# Allegro board RK_EXCAVATOR_MAIN_V12_20161114_FZBFINAL.brd (continued)
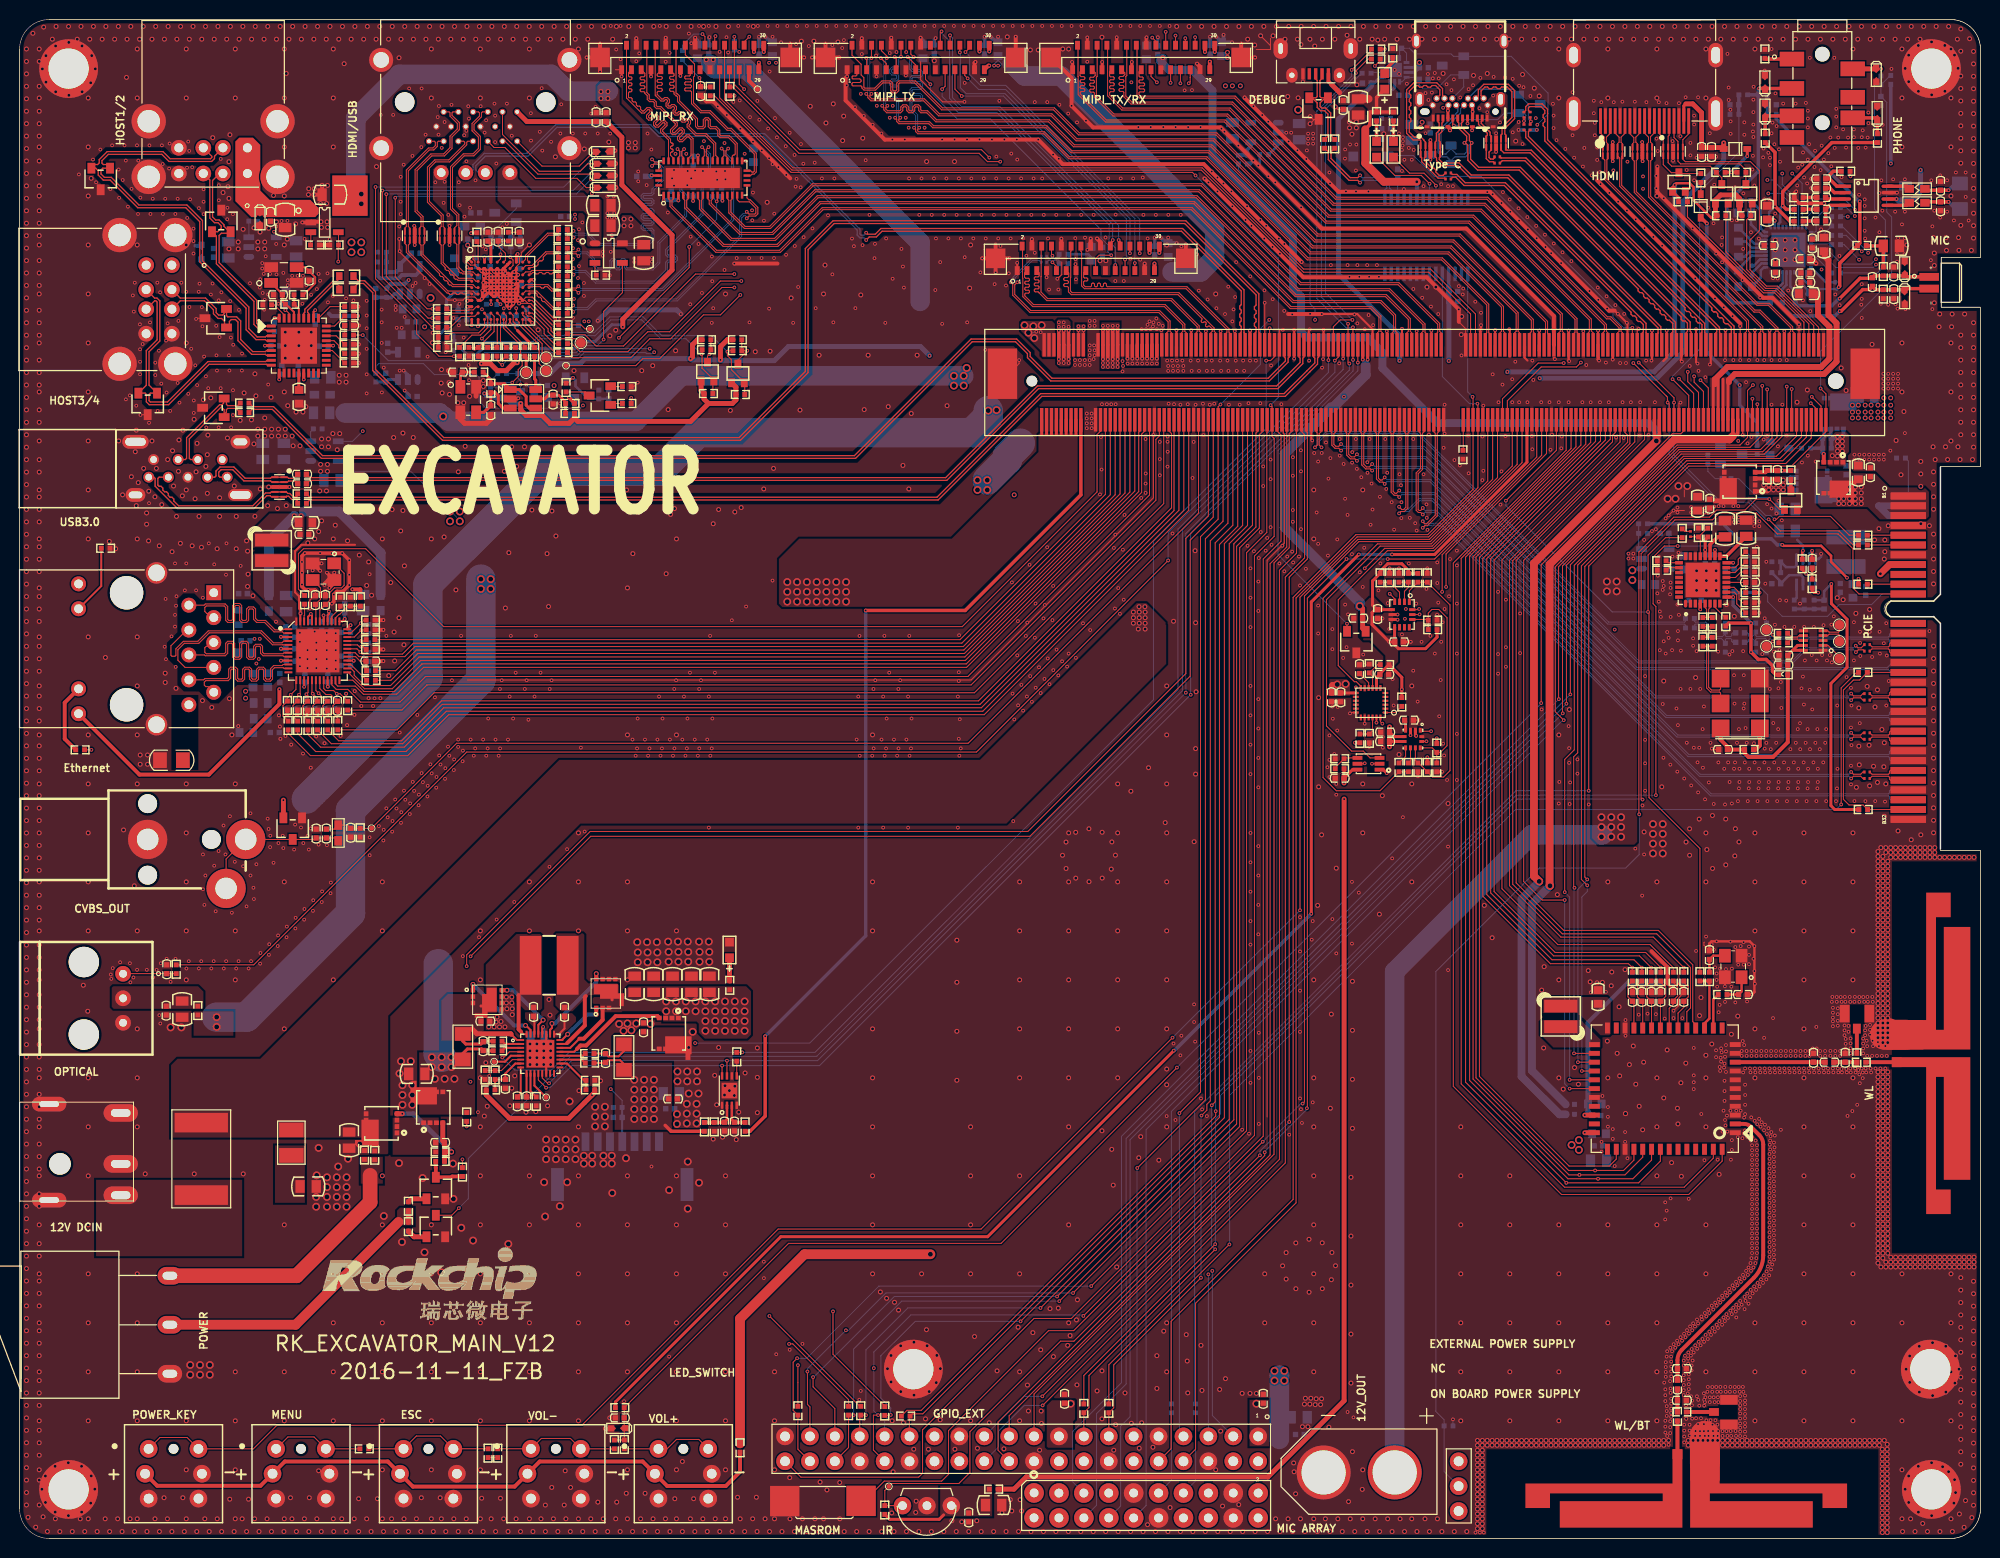
[diagram p0: board, top side]
## Routing (per net, layer and track width the routed paths; a pad name or vN(x,y) marks a point on that pad's centre or on a via; arc(x,y) is an arc through that point) (continued)
v1(140.75,108.6) v1(140.8,112.2) v1(140.9,107.48) v1(140.95,105.74) v1(140.93,104.13) v1(141,141.7) v1(141,139.55) v1(141,92.25) v1(141.07,142.15) v1(141.1,73.6) v1(141.25,140.7) v1(141.2,137.7) v1(141.3,93.85) v1(141.4,94.85) v1(141.5,148.45) v1(141.7,141.9) v1(141.7,99.5) v1(141.8,104.15) v1(142,140.7) v1(142.15,112.2) v1(142.15,88.55) v1(142.2,141.7) v1(142.16,127.51) v1(142.35,103.6) v1(142.5,102.85) v1(142.45,95.4) v1(142.6,85.4) v1(143,91.5) v1(143.06,126.61) v1(143.2,138) v1(143.2,108.6) v1(143.4,147.5) v1(143.5,105.53) v1(143.53,104.15) v1(143.5,96.9) v1(143.6,102.93) v1(143.65,149.45) v1(143.7,146.8) v1(143.75,112.65) v1(143.9,92.1) v1(143.96,125.71) v1(144.05,147.55) v1(144.15,149) v1(144.35,149.55) v1(144.35,90.3) v1(144.6,99.6) v1(144.6,97.5) v1(144.7,124.95) v1(144.7,95.5) v1(144.75,149) v1(144.8,83.9) v1(145,138.2) v1(145,91.5) v1(144.95,87.6) v1(145.15,93.5) v1(145.2,81.1) v1(145.25,111.3) v1(145.3,79.9) v1(145.35,115.7) v1(145.35,112.75) v1(145.35,94.85) v1(145.55,148.4) v1(145.6,77.4) v1(145.7,138) v1(145.7,70.6) v1(145.7,58) v1(145.8,96.15) v1(145.9,99.95) v1(146.05,147.8) v1(146.2,138) v1(146.3,148.9) v1(146.35,110.05) v1(146.6,100.8) v1(146.6,99.3) v1(146.6,95.4) v1(146.6,90.3) v1(146.6,82.1) v1(146.6,77.4) v1(146.8,127.8) v1(146.9,109.5) v1(146.95,147.05) v1(147.07,120.73) v1(147.2,126.95) v1(147.25,127.55) v1(147.8,147.9) v1(147.75,112.55) v1(147.8,108.7) v1(148.25,148.3) v1(148.48,126.21) v1(148.5,0.6) v1(148.9,145.95) v1(148.95,0.6) v1(149,149.05) v1(149.06,125.08) v1(149.2,112.45) v1(149.2,108) v1(149.3,115.6) v1(149.3,108.95) v1(149.35,0.6) v1(149.7,137.4) v1(150.25,118.8) v1(150.35,149.15) v1(150.3,147.25) v1(150.25,137.18) v1(150.6,143.4) v1(150.6,141.5) v1(150.85,115.95) v1(150.8,96.6) v1(150.8,90.25) v1(150.8,88.25) v1(151,144.5) v1(151.05,105.5) v1(151.15,136.28) v1(151.15,108.9) v1(151.25,117.75) v1(151.3,137.4) v1(151.5,149.1) v1(151.5,145) v1(151.55,112.5) v1(151.6,95.8) v1(151.6,90.95) v1(151.6,88.95) v1(151.99,136.64) v1(152.05,135.38) v1(152.25,118.3) v1(152.25,115.95) v1(152.3,148.95) v1(152.3,143.5) v1(152.56,120.09) v1(152.95,148.25) v1(152.9,144.55) v1(152.89,135.74) v1(152.95,134.48) v1(152.95,115.95) v1(153.05,94.4) v1(153.05,90.35) v1(153.3,142.3) v1(153.4,148.1) v1(153.79,134.84) v1(153.84,133.59) v1(153.8,115.95) v1(154.1,147.2) v1(154.25,112.5) v1(154.3,120.2) v1(154.3,111.15) v1(154.4,118.23) v1(154.65,144.95) v1(154.69,133.95) v1(154.74,132.69) v1(155.2,115.95) v1(155.25,84.6) v1(155.58,133.05) v1(155.64,131.79) v1(156.05,115.95) v1(156.22,131.17) v1(156.15,111.1) v1(156.3,112.65) v1(156.4,146.4) v1(156.47,145.2) v1(156.47,143.93) v1(156.48,132.15) v1(156.76,142.7) v1(157,115.95) v1(157,75) v1(157.05,77.2) v1(157.23,130.15) v1(157.3,112.45) v1(157.25,111.25) v1(157.38,131.25) v1(157.66,141.8) v1(158,115.95) v1(158,82.9) v1(158.05,80.65) v1(158.05,79.15) v1(158.1,74.95) v1(158.15,77.15) v1(158.28,130.35) v1(158.4,147.6) v1(158.4,143.2) v1(158.56,140.9) v1(158.9,79.5) v1(158.9,78.05) v1(159.4,115.95) v1(159.46,140) v1(159.6,141.9) v1(159.8,119.75) v1(160.13,127.3) v1(160.05,74.9) v1(160.25,115.95) v1(160.26,55.72) v1(160.36,139.11) v1(160.57,146.72) v1(160.57,145.45) v1(160.67,144.47) v1(160.67,143.2) v1(160.91,141.95) v1(160.91,140.68) v1(160.97,127.66) v1(161.03,126.4) v1(161.21,139.44) v1(161.2,115.95) v1(161.33,146.57) v1(161.25,138.21) v1(161.45,45.15) v1(161.36,40.47) v1(161.36,39.47) v1(161.8,120) v1(161.81,55.77) v1(161.87,126.76) v1(161.93,125.5) v1(162.01,44.02) v1(162.01,43.02) v1(162.01,42.02) v1(162.1,115.95) v1(162.15,137.31) v1(162.51,41.77) v1(162.51,40.77) v1(162.6,146.57) v1(162.56,139.61) v1(162.7,92.75) v1(162.7,38) v1(162.77,125.86) v1(162.84,112.34) v1(163.05,136.41) v1(163.25,119.95) v1(163.48,146.62) v1(163.5,115.95) v1(163.61,112.3) v1(163.67,124.97) v1(163.85,119.95) v1(163.8,52.9) v1(163.8,51.3) v1(163.76,41.47) v1(163.76,40.47) v1(163.95,135.51) v1(164,140.5) v1(164,38.8) v1(164.1,100.5) v1(164.1,100) v1(164.35,115.95) v1(164.6,100.5) v1(164.6,100) v1(164.75,146.62) v1(164.85,134.62) v1(164.8,70.4) v1(165.15,53.45) v1(165.25,112.55) v1(165.3,115.95) v1(165.53,74.8) v1(165.5,65.6) v1(165.59,139) v1(165.59,137.73) v1(165.74,133.72) v1(165.7,101.9) v1(165.7,69.8) v1(165.8,88) v1(165.8,81.5) v1(165.8,79.1) v1(165.8,76.3) v1(165.93,146.57) v1(165.9,120.2) v1(166.05,53.55) v1(166.15,112.6) v1(166.5,102.8) v1(166.64,132.82) v1(166.8,115.95) v1(166.95,139.06) v1(166.95,137.79) v1(166.9,103) v1(166.9,53.5) v1(166.97,142.85) v1(167.05,99.3) v1(167.05,96.45) v1(167.09,141.59) v1(167.1,98.25) v1(167.2,146.57) v1(167.2,100.2) v1(167.2,95.6) v1(167.3,94.6) v1(167.3,90.65) v1(167.41,94.04) v1(167.54,131.92) v1(167.6,97.7) v1(167.6,96.8) v1(167.6,85.15) v1(167.71,136.77) v1(167.7,97.2) v1(167.7,91.55) v1(167.67,79.67) v1(167.75,15.9) v1(167.8,53.05) v1(167.9,90.3) v1(167.85,34.3) v1(167.85,32.55) v1(167.91,17.99) v1(167.91,17.49) v1(167.91,16.99) v1(167.91,16.49) v1(167.86,15.21) v1(167.86,14.61) v1(167.86,14.01) v1(167.86,12) v1(167.86,11.4) v1(167.86,10.8) v1(167.98,146.47) v1(168,33.45) v1(168,18.55) v1(168.01,13.5) v1(168.01,13) v1(168.01,12.5) v1(168.05,92.5) v1(168.05,19.1) v1(168.05,10.45) v1(168.2,91.9) v1(168.2,9.55) v1(168.4,97.55) v1(168.4,97) v1(168.35,96.35) v1(168.41,94.04) v1(168.38,78.96) v1(168.4,34.7) v1(168.37,19.45) v1(168.35,16.05) v1(168.4,15.3) v1(168.4,14.85) v1(168.36,11.95) v1(168.36,11.35) v1(168.36,10.75) v1(168.45,18.55) v1(168.46,18.04) v1(168.46,17.54) v1(168.46,17.04) v1(168.46,16.54) v1(168.46,14.25) v1(168.46,13.75) v1(168.46,13.25) v1(168.45,12.8) v1(168.45,12.4) v1(168.6,142.6) v1(168.6,100.2) v1(168.55,90.65) v1(168.55,19.1) v1(168.7,53.1) v1(168.71,19.82) v1(168.87,19.45) v1(169,84.7) v1(169.1,105.2) v1(169.1,104.7) v1(169.1,100.2) v1(169.1,95.3) v1(169.08,78.25) v1(169.07,20.17) v1(169.2,100.6) v1(169.15,92.6) v1(169.15,91.65) v1(169.15,83) v1(169.21,19.82) v1(169.25,146.47) v1(169.25,94.25) v1(169.4,143.1) v1(169.42,86.69) v1(169.42,20.53) v1(169.45,90.6) v1(169.55,120.1) v1(169.6,53.1) v1(169.57,20.17) v1(169.74,18.15) v1(169.74,17.65) v1(169.74,16.65) v1(169.74,16.15) v1(169.74,15.12) v1(169.74,14.62) v1(169.79,77.55) v1(169.77,20.88) v1(169.75,15.65) v1(169.79,11.6) v1(169.79,11) v1(169.79,10.4) v1(169.79,9.8) v1(169.93,147.07) v1(169.92,20.53) v1(169.87,18.63) v1(169.97,13.59) v1(170,12.22) v1(170,12.21) v1(170.05,139.65) v1(170.05,81.2) v1(170.07,21.25) v1(170.21,18.97) v1(170.19,18.35) v1(170.19,17.85) v1(170.15,14.8) v1(170.25,34.65) v1(170.27,20.91) v1(170.26,16.74) v1(170.26,16.24) v1(170.26,15.74) v1(170.26,15.24) v1(170.34,11.6) v1(170.34,11) v1(170.42,142.42) v1(170.42,141.15) v1(170.35,119.65) v1(170.42,86.69) v1(170.39,21.63) v1(170.35,10.5) v1(170.5,105.25) v1(170.5,104.7) v1(170.5,76.84) v1(170.47,18.66) v1(170.54,17.65) v1(170.54,17.15) v1(170.49,14.5) v1(170.6,21.25) v1(170.56,19.33) v1(170.6,14.05) v1(170.57,13.59) v1(170.6,12.22) v1(170.65,133.7) v1(170.7,91.85) v1(170.7,91.1) v1(170.7,21.95) v1(170.65,18.15) v1(170.8,145.2) v1(170.8,144.3) v1(170.8,138.6) v1(170.77,80.69) v1(170.76,50.05) v1(170.76,47.25) v1(170.76,46.55) v1(170.76,45.85) v1(170.76,18.97) v1(170.89,21.63) v1(170.91,19.71) v1(170.9,10.46) v1(171,59.95) v1(171,12.26) v1(170.95,10.96) v1(171.05,140.9) v1(171.05,90.55) v1(171.1,22.34) v1(171.11,19.35) v1(171.09,14.5) v1(171.2,147.07) v1(171.15,79.2) v1(171.21,76.13) v1(171.2,21.95) v1(171.22,14.14) v1(171.2,11.67) v1(171.25,119.15) v1(171.32,80.69) v1(171.27,20.06) v1(171.32,13.55) v1(171.42,86.69) v1(171.4,10.95) v1(171.4,10.46) v1(171.53,43.31) v1(171.54,22.65) v1(171.46,19.71) v1(171.5,12.26) v1(171.6,22.34) v1(171.67,82.59) v1(171.7,78.65) v1(171.65,20.35) v1(171.8,84.9) v1(171.82,20.06) v1(171.8,14.8) v1(171.82,14.14) v1(171.82,13.55) v1(171.8,11.67) v1(171.8,10.95) v1(171.85,105.15) v1(171.85,104.7) v1(171.91,75.43) v1(171.85,38.6) v1(171.9,23) v1(171.9,13.91) v1(171.95,118.5) v1(172.02,61.42) v1(172.04,22.65) v1(171.97,20.77) v1(171.95,14.41) v1(172.1,141.05) v1(172.15,14.96) v1(172.05,12.05) v1(172.25,23.36) v1(172.2,20.35) v1(172.2,15.46) v1(172.23,10.96) v1(172.25,135.8) v1(172.25,104.65) v1(172.3,77.15) v1(172.28,10.46) v1(172.4,143.4) v1(172.35,23) v1(172.35,21.1) v1(172.4,14.4) v1(172.4,13.91) v1(172.47,81.19) v1(172.52,20.77) v1(172.48,12.06) v1(172.59,60.63) v1(172.6,23.75) v1(172.65,14.96) v1(172.75,23.36) v1(172.68,21.47) v1(172.65,15.45) v1(172.68,11.61) v1(172.73,10.96) v1(172.78,134.21) v1(172.8,74.95) v1(172.81,60.07) v1(172.8,14.4) v1(172.78,10.46) v1(172.85,138.15) v1(172.93,126.53) v1(172.85,105.3) v1(172.94,58.28) v1(172.9,21.1) v1(172.9,13.91) v1(173.04,131.11) v1(173.04,49.82) v1(173.04,49.12) v1(172.96,24.06) v1(172.98,12.06) v1(173.05,141) v1(173.1,57.65) v1(173.1,57) v1(173.1,23.75) v1(173.1,21.8) v1(173.05,15.45) v1(173.15,14.96) v1(173.15,56.3) v1(173.2,38.65) v1(173.23,21.47) v1(173.23,14.41) v1(173.18,11.61) v1(173.2,10.46) v1(173.3,105.35) v1(173.25,90.5) v1(173.27,79.19) v1(173.3,53.7) v1(173.3,24.4) v1(173.28,13.91) v1(173.25,10.96) v1(173.4,54.45) v1(173.41,48.11) v1(173.39,22.18) v1(173.45,58.15) v1(173.51,49.06) v1(173.46,47.71) v1(173.46,24.06) v1(173.48,15.46) v1(173.53,14.96) v1(173.61,132) v1(173.56,50.01) v1(173.61,49.61) v1(173.56,48.66) v1(173.65,132.77) v1(173.65,130.23) v1(173.7,41.51) v1(173.66,24.77) v1(173.65,21.8) v1(173.7,10.95) v1(173.7,10.46) v1(173.83,125.64) v1(173.8,105.35) v1(173.8,43.65) v1(173.75,24.4) v1(173.8,22.55) v1(173.95,120.25) v1(173.87,78.54) v1(173.95,74.9) v1(173.95,54.75) v1(173.95,49.15) v1(173.9,48.45) v1(173.85,48.05) v1(173.9,46.7) v1(173.9,45.65) v1(173.9,44.65) v1(173.95,42.7) v1(173.94,22.18) v1(174,42.15) v1(174,25.1) v1(173.98,15.46) v1(174.03,14.96) v1(174.05,58.1) v1(174.05,50.35) v1(174.05,49.7) v1(174.05,47.6) v1(174.1,22.89) v1(174.1,10.95) v1(174.2,151.5) v1(174.15,43.15) v1(174.2,41.51) v1(174.16,24.77) v1(174.25,22.5) v1(174.2,10.46) v1(174.32,148.07) v1(174.32,146.8) v1(174.27,79.19) v1(174.4,90.2) v1(174.42,77.19) v1(174.37,25.48) v1(174.45,25.1) v1(174.45,14.96) v1(174.5,145.8) v1(174.52,144.62) v1(174.52,143.35) v1(174.5,60.9) v1(174.5,43.65) v1(174.55,38.65) v1(174.5,23.25) v1(174.5,15.46) v1(174.53,10.96) v1(174.65,75) v1(174.65,58.15) v1(174.6,56.3) v1(174.65,40.65) v1(174.65,39.65) v1(174.65,22.89) v1(174.58,10.46) v1(174.66,134.52) v1(174.72,124.74) v1(174.7,90.55) v1(174.72,25.83) v1(174.8,120.25) v1(174.8,105.35) v1(174.85,104.2) v1(174.85,103.7) v1(174.79,23.53) v1(174.87,88.09) v1(174.92,85.19) v1(174.87,78.54) v1(174.87,25.48) v1(174.95,15.45) v1(174.95,14.96) v1(174.98,137.89) v1(174.97,79.19) v1(175,60.35) v1(175,54.7) v1(175.05,23.15) v1(175.03,10.96) v1(175.1,43.65) v1(175.08,26.18) v1(175.1,23.85) v1(175.1,22.55) v1(175.08,10.46) v1(175.17,134.52) v1(175.17,81.19) v1(175.25,40.95) v1(175.22,25.83) v1(175.3,112) v1(175.3,105.35) v1(175.35,104.2) v1(175.35,103.7) v1(175.27,75.24) v1(175.3,58.55) v1(175.34,23.53) v1(175.35,15.45) v1(175.37,82.59) v1(175.42,78.54) v1(175.42,77.19) v1(175.37,76.54) v1(175.43,26.54) v1(175.45,14.96) v1(175.49,123.73) v1(175.5,120.25) v1(175.52,86.69) v1(175.55,60.45) v1(175.55,43.65) v1(175.5,24.24) v1(175.49,14.53) v1(175.49,14.03) v1(175.5,13.6) v1(175.5,13.2) v1(175.49,12.75) v1(175.49,12.23) v1(175.49,11.73) v1(175.5,11.3) v1(175.5,10.9) v1(175.49,10.45) v1(175.58,26.18) v1(175.65,23.85) v1(175.74,128.42) v1(175.66,49.74) v1(175.66,49.24) v1(175.72,40.84) v1(175.83,137.26) v1(175.8,131.6) v1(175.8,90.55) v1(175.85,84.7) v1(175.85,60.85) v1(175.85,58.55) v1(175.76,50.75) v1(175.8,47.55) v1(175.78,26.89) v1(175.78,15.46) v1(175.83,14.96) v1(175.92,144.52) v1(175.92,143.25) v1(175.87,88.09) v1(175.92,85.19) v1(175.9,50.35) v1(175.9,42.94) v1(175.88,41.32) v1(175.93,26.54) v1(175.95,24.65) v1(175.95,23.4) v1(176.05,82.7) v1(175.97,79.19) v1(176,47.96) v1(176,46.3) v1(176,45.25) v1(176,44.25) v1(176,43.3) v1(176,41.64) v1(176.05,24.24) v1(175.99,14.58) v1(175.99,14.08) v1(175.99,13.7) v1(175.99,13.2) v1(175.99,12.7) v1(175.99,12.28) v1(175.99,11.78) v1(175.99,11.4) v1(175.99,10.9) v1(175.99,10.4) v1(176.1,118) v1(176.1,27.3) v1(176.25,111.75) v1(176.17,81.19) v1(176.2,54.8) v1(176.16,49.74) v1(176.16,49.24) v1(176.23,40.96) v1(176.22,24.98) v1(176.27,75.24) v1(176.35,27.65) v1(176.28,26.89) v1(176.35,23.95) v1(176.4,120.25) v1(176.42,78.54) v1(176.42,77.19) v1(176.37,76.54) v1(176.4,60.4) v1(176.4,59.55) v1(176.4,58.6) v1(176.38,41.32) v1(176.5,47.96) v1(176.55,47.56) v1(176.55,28.1) v1(176.5,24.6) v1(176.6,133.3) v1(176.65,112.4) v1(176.63,42.97) v1(176.58,40.6) v1(176.65,28.6) v1(176.6,27.3) v1(176.57,25.36) v1(176.74,139.7) v1(176.66,49.74) v1(176.66,49.24) v1(176.73,40.96) v1(176.71,40.12) v1(176.71,39.62) v1(176.71,39.12) v1(176.71,38.62) v1(176.71,38.12) v1(176.71,37.62) v1(176.71,37.12) v1(176.71,36.62) v1(176.71,36.12) v1(176.71,35.62) v1(176.71,35.12) v1(176.71,34.62) v1(176.71,34.12) v1(176.71,33.62) v1(176.71,33.12) v1(176.71,32.62) v1(176.71,32.12) v1(176.71,31.62) v1(176.71,31.12) v1(176.71,30.62) v1(176.71,30.12) v1(176.71,29.62) v1(176.71,29.12) v1(176.84,146.83) v1(176.84,145.56) v1(176.84,144.29) v1(176.8,143.58) v1(176.84,143.02) v1(176.8,141.1) v1(176.85,59.15) v1(176.85,27.65) v1(176.77,25.01) v1(176.87,148.15) v1(176.94,138.07) v1(176.95,103.8) v1(176.95,103.3) v1(176.9,81.15) v1(176.92,25.72) v1(177,104.2) v1(177.05,99.2) v1(176.97,79.19) v1(177,56.6) v1(177,47.96) v1(177.05,47.56) v1(176.98,42.61) v1(177.05,28.1) v1(177.08,40.6) v1(177.15,28.6) v1(177.12,25.36) v1(177.25,120.25) v1(177.2,101.2) v1(177.16,49.74) v1(177.16,49.24) v1(177.24,42.27) v1(177.21,40.12) v1(177.21,39.62) v1(177.21,39.12) v1(177.21,38.62) v1(177.21,38.12) v1(177.21,37.62) v1(177.21,37.12) v1(177.21,36.62) v1(177.21,36.12) v1(177.21,35.62) v1(177.21,35.12) v1(177.21,34.62) v1(177.21,34.12) v1(177.21,33.62) v1(177.21,33.12) v1(177.21,32.62) v1(177.21,32.12) v1(177.21,31.62) v1(177.21,31.12) v1(177.21,30.62) v1(177.21,30.12) v1(177.21,29.62) v1(177.21,29.12) v1(177.3,98.15) v1(177.27,75.24) v1(177.28,26.07) v1(177.45,103.8) v1(177.45,103.3) v1(177.45,95.55) v1(177.45,94.45) v1(177.42,78.54) v1(177.42,77.19) v1(177.37,76.54) v1(177.43,42.81) v1(177.53,126.62) v1(177.5,47.96) v1(177.55,47.56) v1(177.47,25.72) v1(177.58,42.02) v1(177.62,26.44) v1(177.75,90.25) v1(177.66,49.74) v1(177.66,49.24) v1(177.69,42.47) v1(177.84,140.94) v1(177.83,26.07) v1(177.88,141.84) v1(177.95,120.25) v1(177.9,112.15) v1(177.94,51.08) v1(177.93,41.66) v1(177.91,26.85) v1(178,149.8) v1(177.96,136.65) v1(178,93.9) v1(178,80.6) v1(177.97,79.19) v1(178,47.96) v1(178.05,47.56) v1(178.03,42.22) v1(178.06,97.43) v1(178.25,112.5) v1(178.25,105.55) v1(178.16,99.67) v1(178.17,81.19) v1(178.16,49.74) v1(178.16,49.24) v1(178.23,41.27) v1(178.2,27.25) v1(178.17,26.44) v1(178.27,75.24) v1(178.32,27.75) v1(178.37,141.4) v1(178.42,78.54) v1(178.42,77.19) v1(178.37,76.54) v1(178.38,41.86) v1(178.54,140.9) v1(178.54,140.15) v1(178.47,136.65) v1(178.52,86.69) v1(178.5,47.96) v1(178.55,47.56) v1(178.55,40.6) v1(178.52,40.17) v1(178.49,39.24) v1(178.49,38.74) v1(178.49,38.24) v1(178.49,37.74) v1(178.49,37.24) v1(178.49,36.74) v1(178.49,36.24) v1(178.49,35.74) v1(178.49,35.24) v1(178.49,34.74) v1(178.49,34.24) v1(178.49,33.74) v1(178.49,33.24) v1(178.49,32.74) v1(178.49,32.24) v1(178.49,31.74) v1(178.49,31.24) v1(178.49,30.74) v1(178.49,30.24) v1(178.49,29.74) v1(178.49,29.24) v1(178.49,28.74) v1(178.5,28.25) v1(178.46,26.85) v1(178.62,80.54) v1(178.6,41.05) v1(178.55,39.7) v1(178.65,27.45) v1(178.7,152) v1(178.7,143.4) v1(178.7,120.25) v1(178.7,115.7) v1(178.7,105.1) v1(178.66,49.74) v1(178.66,49.24) v1(178.68,41.47) v1(178.79,144.49) v1(178.85,53.1) v1(178.77,27.95) v1(178.95,90.5) v1(178.87,83.21) v1(178.94,40.4) v1(178.94,39.44) v1(178.94,38.94) v1(178.94,38.44) v1(178.94,37.94) v1(178.94,37.44) v1(178.94,36.94) v1(178.94,36.44) v1(178.94,35.94) v1(178.94,35.44) v1(178.94,34.94) v1(178.94,34.44) v1(178.94,33.94) v1(178.94,33.44) v1(178.94,32.94) v1(178.94,32.44) v1(178.94,31.94) v1(178.94,31.44) v1(178.94,30.94) v1(178.94,30.44) v1(178.94,29.94) v1(178.94,29.44) v1(178.94,28.94) v1(178.95,28.45) v1(178.98,142.28) v1(179.04,93.24) v1(178.97,79.19) v1(179,47.96) v1(179.05,47.56) v1(179.03,41.11) v1(179,39.9) v1(179.09,147.47) v1(179.07,135.21) v1(179.21,144.13) v1(179.2,104.6) v1(179.17,81.19) v1(179.16,49.74) v1(179.16,49.24) v1(179.35,111.45) v1(179.27,75.24) v1(179.4,105.9) v1(179.4,86.75) v1(179.37,82.59) v1(179.42,78.54) v1(179.42,77.19) v1(179.37,76.54) v1(179.46,141.76) v1(179.55,120.25) v1(179.55,95.75) v1(179.5,90.65) v1(179.5,47.96) v1(179.55,47.56) v1(179.56,140.49) v1(179.65,87.4) v1(179.65,41.7) v1(179.75,103.9) v1(179.7,84.75) v1(179.66,49.74) v1(179.66,49.24) v1(179.8,115.7) v1(179.88,146.42) v1(180.02,93.02) v1(179.97,79.19) v1(180,47.96) v1(180.05,47.56) v1(180.25,120.25) v1(180.25,112.55) v1(180.2,95.71) v1(180.16,49.74) v1(180.16,49.24) v1(180.27,75.24) v1(180.4,127.35) v1(180.42,78.54) v1(180.42,77.19) v1(180.37,76.54) v1(180.5,47.96) v1(180.55,47.56) v1(180.62,80.54) v1(180.66,49.74) v1(180.66,49.24) v1(181.02,93.02) v1(180.97,79.19) v1(181,47.96) v1(181.05,47.56) v1(181.15,146.42) v1(181.2,127.8) v1(181.17,81.19) v1(181.16,49.74) v1(181.16,49.24) v1(181.31,138.07) v1(181.27,75.24) v1(181.41,139.9) v1(181.37,82.59) v1(181.42,78.54) v1(181.42,77.19) v1(181.37,76.54) v1(181.5,123.4) v1(181.5,47.96) v1(181.55,47.56) v1(181.6,95.4) v1(181.6,83.2) v1(181.62,80.54) v1(181.66,49.74) v1(181.66,49.24) v1(181.83,140.19) v1(181.8,109.8) v1(181.75,86.75) v1(181.91,141.44) v1(181.9,126.35) v1(181.9,87.95) v1(182.02,138.89) v1(182,85.1) v1(181.97,79.19) v1(182,47.96) v1(182.05,47.56) v1(182.1,89.6) v1(182.2,146.5) v1(182.17,81.19) v1(182.16,49.74) v1(182.16,49.24) v1(182.33,138.28) v1(182.27,75.24) v1(182.4,145.7) v1(182.4,144.9) v1(182.4,144) v1(182.39,140.72) v1(182.4,110.5) v1(182.37,82.59) v1(182.42,78.54) v1(182.42,77.19) v1(182.37,76.54) v1(182.53,142.29) v1(182.5,47.96) v1(182.55,47.56) v1(182.6,151.1) v1(182.6,86.6) v1(182.62,80.54) v1(182.56,49.74) v1(182.56,49.24) v1(182.65,125.25) v1(182.8,90.15) v1(182.85,84.6) v1(182.9,50) v1(183.02,93.02) v1(182.97,79.19) v1(183,47.96) v1(183.05,47.56) v1(183.14,141.61) v1(183.08,139.95) v1(183.2,109.9) v1(183.17,81.19) v1(183.3,89.6) v1(183.27,75.24) v1(183.26,52.19) v1(183.3,50) v1(183.37,82.59) v1(183.42,78.54) v1(183.42,77.19) v1(183.37,76.54) v1(183.5,47.96) v1(183.55,47.56) v1(183.55,86.7) v1(183.62,80.54) v1(183.7,139.64) v1(183.66,49.74) v1(183.66,49.24) v1(183.81,142.13) v1(183.75,133.6) v1(183.8,129.5) v1(183.85,90.15) v1(184.04,140.72) v1(184,93.2) v1(183.97,79.19) v1(184,47.96) v1(184.05,47.56) v1(184.17,81.19) v1(184.16,49.74) v1(184.16,49.24) v1(184.27,82.59) v1(184.27,75.24) v1(184.35,89.6) v1(184.49,141.37) v1(184.46,47.96) v1(184.51,47.56) v1(184.7,142.97) v1(184.65,90.15) v1(184.7,49.75) v1(184.7,49.25) v1(184.79,140.03) v1(184.8,93.25) v1(184.85,54.76) v1(184.85,89.4) v1(184.9,55.26) v1(184.96,54.15) v1(184.96,53.65) v1(184.96,53.15) v1(184.96,52.77) v1(184.96,52.27) v1(184.96,47.96) v1(185.01,47.56) v1(185.1,151.1) v1(185.14,141.91) v1(185.05,94.1) v1(185.2,126.95) v1(185.2,49.74) v1(185.2,49.24) v1(185.3,145.9) v1(185.3,145.1) v1(185.3,144) v1(185.27,75.24) v1(185.35,54.76) v1(185.4,85) v1(185.42,78.54) v1(185.37,76.54) v1(185.35,55.25) v1(185.5,142.96) v1(185.46,54.1) v1(185.46,53.5) v1(185.46,52.82) v1(185.46,52.32) v1(185.46,47.96) v1(185.51,47.56) v1(185.63,130.88) v1(185.65,125.85) v1(185.7,49.74) v1(185.7,49.24) v1(185.83,138.92) v1(185.75,55.25) v1(185.85,54.76) v1(185.83,47.91) v1(185.88,47.56) v1(186,143.8) v1(186.14,52.35) v1(186.14,51.85) v1(186.14,51.35) v1(186.18,55.26) v1(186.23,54.76) v1(186.29,141.94) v1(186.26,50.97) v1(186.26,50.47) v1(186.25,50) v1(186.33,47.91) v1(186.35,87.9) v1(186.38,47.56) v1(186.44,43.12) v1(186.5,142.96) v1(186.55,52.3) v1(186.55,51.7) v1(186.68,55.26) v1(186.73,54.76) v1(186.73,47.96) v1(186.8,86.8) v1(186.85,85) v1(186.8,82.75) v1(186.85,80.95) v1(186.8,78.85) v1(186.8,76.95) v1(186.76,51.02) v1(186.76,50.52) v1(186.76,50.02) v1(186.76,49.52) v1(186.78,47.56) v1(186.94,43.61) 